# Altium PCB GameBoard_V1I1_Phase1.PcbDoc (part 15 of 18) (continued)
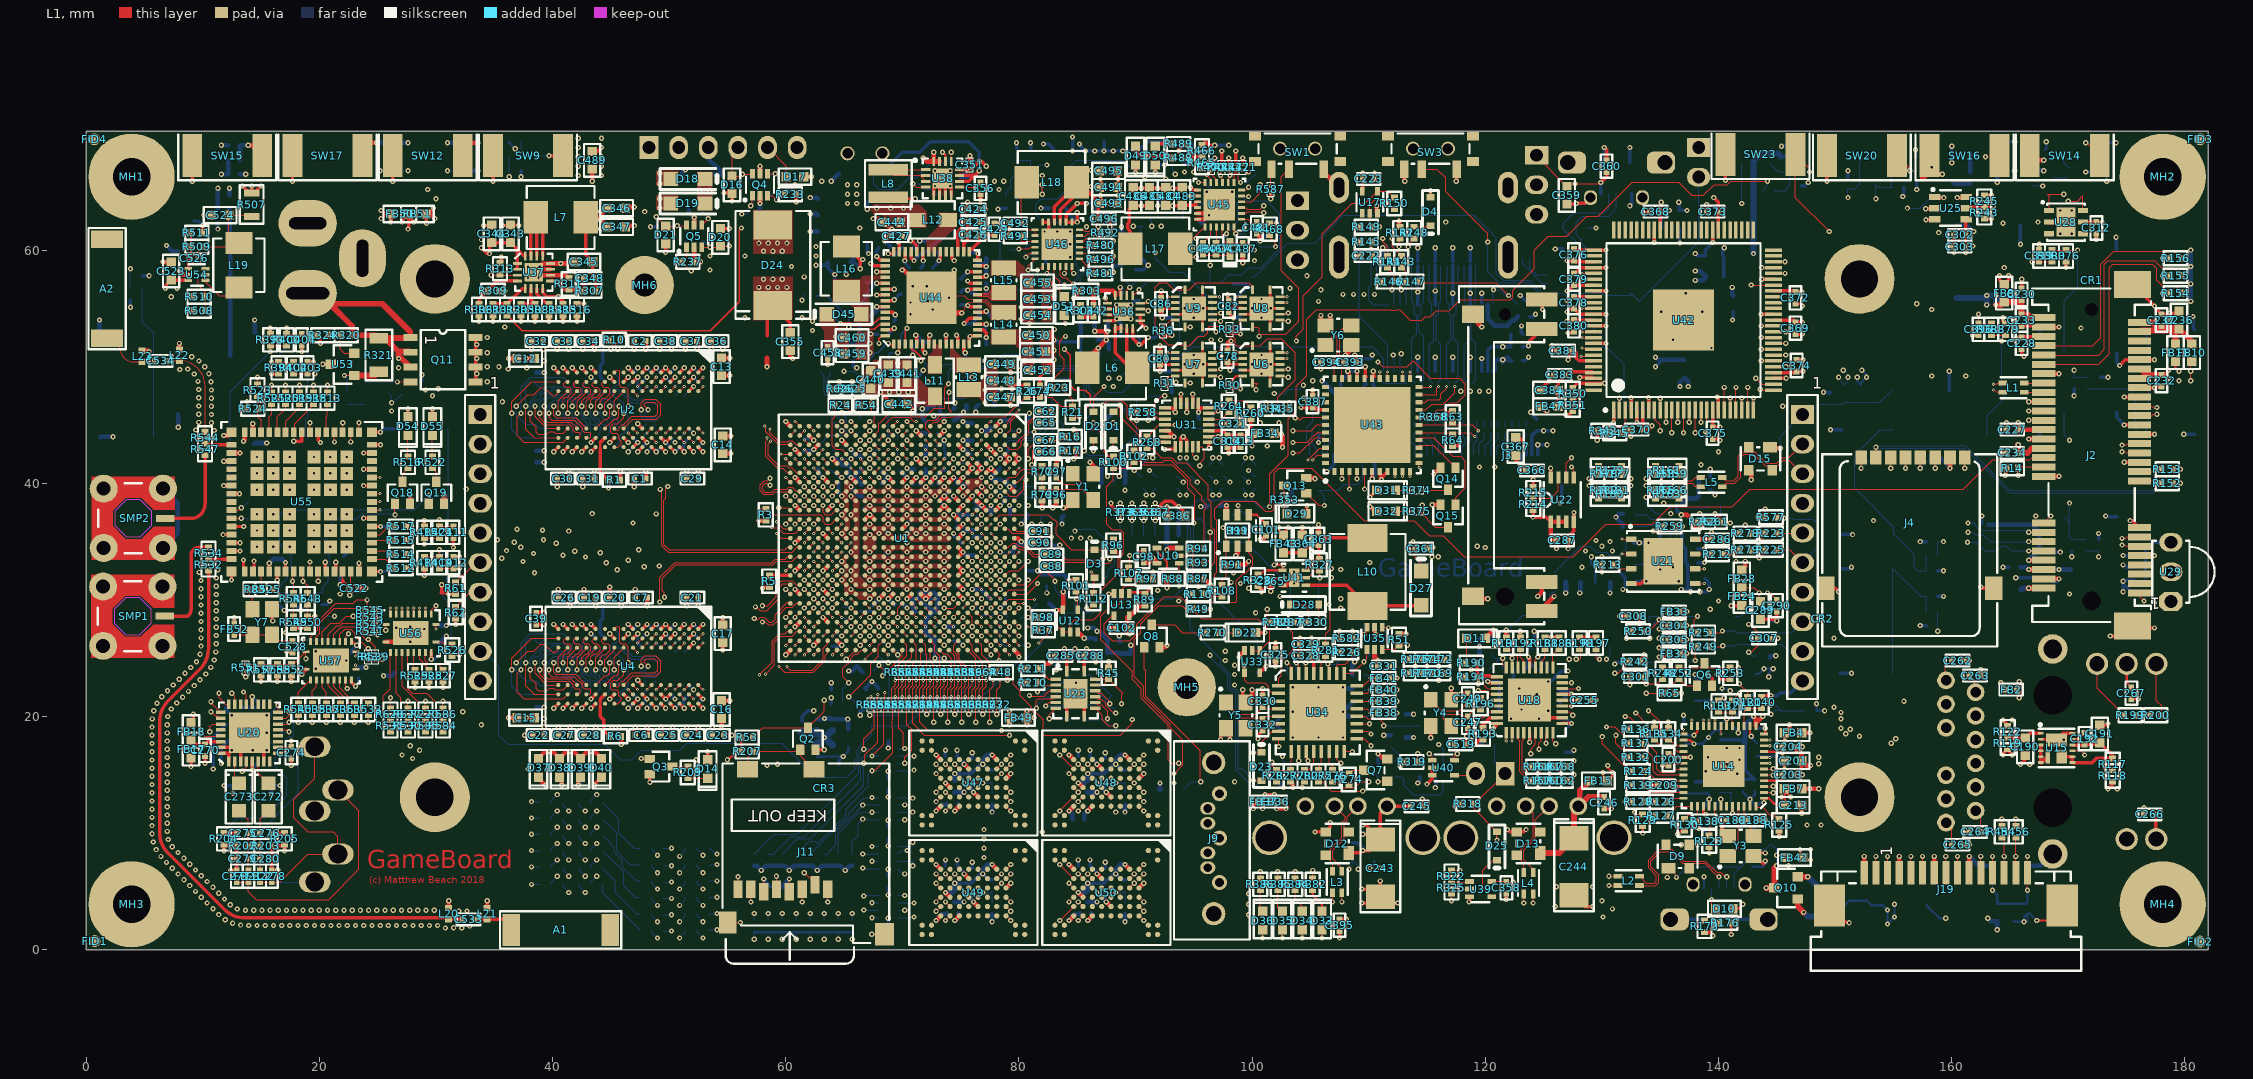
[diagram p0: L1 view]
## Nets (pads, with @x,y where several pads share a name; then routed paths per layer and width w, separated by ;. In a path a pad name is that pad's centre, name@x,y a point inside that pad or via, vN(x,y) a via of type N, cw(c..) or ccw(c..) an arc to the next point about the centre after c; other vN are vias at no path point) (continued)
  L12 w0.1: v1(87.3,48.3) 87.3,48.1 87.6,47.8 88.9,47.8 92.1,51 93.9,51 TP39.1@96.6,53.7 96.6,55.6 94.1,58.1 92.9,58.1 91.7,59.3 v1(91.7,59.8) ; D44.2@141.981,67.4 141.981,66.019 R433.1@142,66 v1(142,64)
QB0: R331.1 U42.10 | length 29.6
  L1 w0.093: v2(135.5,45.225) U42.10@135.5,46.275
  L10 w0.093: 132.6,44.5 133,44.1 135.4,44.1 135.5,44.2 v2(135.5,45.225)
  L10 w0.1: v5(113.9,44.068) 113.9,43.4 116.3,41 118.817,41 119.017,40.8 122.026,40.8 122.226,41 123.4,41 123.611,40.789 123.776,40.789 123.987,41 125,41 125.2,40.8 125.63,40.8 126,41.17 126,41.896 128.604,44.5 132.6,44.5
  L11 w0.1: v5(113.9,44.068) v6(113.9,45.3)
  L12 w0.093: R331.1@113.9,44.865 v6(113.9,45.3)
QB1: R332.1 U42.11 | length 31.7
  L1 w0.093: v2(136,44.325) U42.11@136,46.275
  L10 w0.1: v5(113.3,44.068) 113.3,42.085 114.96,40.425 115.755,40.425 116.005,40.675 118.859,40.675 118.934,40.6 122.109,40.6 122.184,40.675 123.442,40.675 123.528,40.589 123.859,40.589 123.945,40.675 124.255,40.675 124.43,40.5 125.7,40.5 126.483,41.283 126.483,42.096 127.287,42.9 134.8,42.9 136.1,44.2 v2@135.9,44.4
  L11 w0.1: v5(113.3,44.068) v6(113.3,45.3)
  L12 w0.093: R332.1@113.3,44.865 v6(113.3,45.3)
QB2: R333.1 U42.12 | length 32.7
  L1 w0.093: v2(136.5,45.225) U42.12@136.5,46.275
  L10 w0.1: v5(112.7,44.068) 112.7,42.3 115.075,39.925 125.106,39.925 125.249,40.068 125.551,40.068 126.683,41.2 126.683,42.013 127.287,42.617 128.1,42.617 128.183,42.7 134.883,42.7 135.383,43.2 135.7,43.2 136.4,43.9 v2@136.4,45.3
  L11 w0.1: v5(112.7,44.068) v6(112.7,45.3)
  L12 w0.093: R333.1@112.7,44.865 v6(112.7,45.3)
QB3: R334.1 U42.13 | length 33.9
  L1 w0.093: v2(137,44.325) U42.13@137,46.275
  L10 w0.1: v5(112.1,44.068) 112.1,42.4 114.9,39.6 123.294,39.6 123.362,39.668 125.132,39.668 125.332,39.868 125.634,39.868 126.9,41.134 126.9,41.6 127.125,41.825 127.591,41.825 128.266,42.5 134.966,42.5 135.466,43 136.1,43 136.9,43.8 v2@136.9,44.4
  L11 w0.1: v5(112.1,44.068) v6(112.1,45.3)
  L12 w0.093: R334.1@112.1,44.865 v6(112.1,45.3)
QB4: R335.1 U42.14 | length 34.9
  L1 w0.093: v2(137.5,45.225) U42.14@137.5,46.275
  L10 w0.1: v5(111.5,44.068) 111.5,42.483 114.583,39.4 123.377,39.4 123.445,39.468 125.215,39.468 125.415,39.668 125.968,39.668 127.325,41.025 127.555,41.025 127.775,41.245 127.775,41.306 128.769,42.3 135.049,42.3 135.549,42.8 136.5,42.8 137.4,43.7 v2@137.4,45.3
  L11 w0.1: v5(111.5,44.068) v6(111.5,45.3)
  L12 w0.093: R335.1@111.5,44.865 v6(111.5,45.3)
QB5: R336.1 U42.15 | length 36.4
  L1 w0.093: v2(138,44.325) U42.15@138,46.275
  L10 w0.1: v5(110.9,44.068) 110.9,42.8 114.6,39.1 116.9,39.1 117,39 123.26,39 123.528,39.268 125.297,39.268 125.497,39.468 126.281,39.468 127.975,41.162 127.975,41.224 128.851,42.1 135.131,42.1 135.631,42.6 137.3,42.6 137.9,43.2 v2@137.9,44.4
  L11 w0.1: v5(110.9,44.068) v6(110.9,45.3)
  L12 w0.093: R336.1@110.9,44.865 v6(110.9,45.3)
QB6: R337.1 U42.16 | length 37.7
  L1 w0.093: v2(138.5,45.225) U42.16@138.5,46.275
  L10 w0.1: v5(110.3,44.068) 110.3,43.1 114.675,38.725 115.688,38.725 115.813,38.6 123.142,38.6 123.61,39.068 125.38,39.068 125.58,39.268 126.364,39.268 128.175,41.079 128.175,41.141 128.934,41.9 135.214,41.9 135.714,42.4 137.6,42.4 138.4,43.2 v2@138.4,45.3
  L11 w0.1: v5(110.3,44.068) v6(110.3,45.3)
  L12 w0.093: R337.1@110.3,44.865 v6(110.3,45.3)
QB7: R338.1 U42.17 | length 39.4
  L1 w0.093: v2@139,44.325 U42.17@139,46.275
  L10 w0.1: v5(109.7,44.068) 109.7,42.8 113.975,38.525 115.605,38.525 115.93,38.2 123.578,38.2 124.246,38.868 125.463,38.868 125.663,39.068 126.447,39.068 128.375,40.996 128.375,41.058 129.017,41.7 135.297,41.7 135.797,42.2 138.1,42.2 138.9,43 v2(138.9,44.4)
  L11 w0.1: v5(109.7,44.068) v6(109.7,45.3)
  L12 w0.093: R338.1@109.7,44.865 v6(109.7,45.3)
QDE: R361.1 U42.46 | length 49.2
  L1 w0.1: U42.46@144.725,58 v1(145.7,58)
  L10 w0.1: v5(107.6,44.735) 107.885,45.02 108.351,45.02 108.751,45.42 116.167,45.42 116.362,45.225 119.591,45.225 119.866,45.5 120.432,45.5 120.485,45.553 120.535,45.553 122.367,47.384 122.367,51.267 122.925,51.825 122.925,52.121 123.379,52.575 123.675,52.575 126.1,55 126.1,55.4 126.8,56.1 129,56.1 129.2,55.9 139.317,55.9 141.517,58.1 142.2,58.1 142.5,58.4 143.07,58.4 143.545,58.875 144.425,58.875 145.3,58 v1(145.7,58)
  L11 w0.1: v6(107.3,45.035) v5(107.6,44.735)
  L12 w0.093: R361.1@107.3,44.6 v6(107.3,45.035)
QE0: R339.1 U42.20 | length 29.1
  L1 w0.093: U42.20@140.5,46.275 v2(140.5,48.225)
  L10 w0.1: v5(118.7,44.068) 118.7,44 119.1,43.6 122.987,43.6 123.262,43.875 123.289,43.875 123.382,43.783 123.618,43.783 124.225,44.389 124.225,44.821 124.679,45.275 125.575,45.275 126.125,45.825 126.125,46.221 126.579,46.675 126.975,46.675 129.9,49.6 139.1,49.6 v2@140.4,48.3
  L11 w0.1: v5(118.7,44.068) v6(118.7,45.3)
  L12 w0.093: R339.1@118.7,44.865 v6(118.7,45.3)
QE1: R340.1 U42.21 | length 30.3
  L1 w0.093: U42.21@141,46.275 v2(141,47.325)
  L10 w0.1: v5(118.1,44.068) 118.867,43.3 122.97,43.3 123.345,42.925 123.655,42.925 123.875,43.145 123.875,43.757 124.425,44.307 124.425,44.738 124.762,45.075 125.658,45.075 126.325,45.742 126.325,46.138 126.662,46.475 127.058,46.475 129.883,49.3 138.7,49.3 140.6,47.4 v2@140.9,47.4
  L11 w0.1: v5(118.1,44.068) v6(118.1,45.3)
  L12 w0.093: R340.1@118.1,44.865 v6(118.1,45.3)
QE2: R341.1 U42.22 | length 35.2
  L1 w0.093: U42.22@141.5,46.275 v2(141.5,48.225)
  L10 w0.1: v5(117.5,44.068) 117.258,43.825 117.258,43.131 117.664,42.725 123.738,42.725 124.075,43.062 124.075,43.405 124.345,43.675 124.375,43.675 124.625,43.925 124.625,44.655 124.845,44.875 125.741,44.875 126.525,45.659 126.525,46.055 126.745,46.275 127.141,46.275 129.866,49 138.683,49 139.3,48.383 139.3,47.5 139.525,47.275 139.525,47.245 139.97,46.8 141.1,46.8 141.4,47.1 v2@141.4,48.3
  L11 w0.1: v5(117.5,44.068) v6(117.5,45.3)
  L12 w0.093: R341.1@117.5,44.865 v6(117.5,45.3)
QE3: R343.1 U42.23 | length 33.4
  L1 w0.093: U42.23@142,46.275 v2(142,47.325)
  L10 w0.1: v5(116.9,44.068) 116.9,43.144 117.519,42.525 123.925,42.525 124.325,42.925 125.025,42.925 125.085,42.985 125.145,42.925 125.455,42.925 125.675,43.145 125.675,43.455 125.615,43.515 126.015,43.515 130.7,48.2 135.6,48.2 136.2,47.6 138.8,47.6 140.1,46.3 141.7,46.3 141.9,46.5 v2@141.9,47.4
  L11 w0.1: v5(116.9,44.068) v6(116.9,45.3)
  L12 w0.093: R343.1@116.9,44.865 v6(116.9,45.3)
QE4: R344.1 U42.24 | length 36.2
  L1 w0.093: U42.24@142.5,46.275 v2(142.5,48.225)
  L10 w0.1: v5(116.3,44.068) 116.3,43.117 117.092,42.325 124.425,42.325 124.825,42.725 125.538,42.725 125.875,43.062 125.875,43.092 130.683,47.9 135.617,47.9 136.117,47.4 138.2,47.4 139.5,46.1 142.2,46.1 142.4,46.3 v2@142.4,48.3
  L11 w0.1: v5(116.3,44.068) v6(116.3,45.3)
  L12 w0.093: R344.1@116.3,44.865 v6(116.3,45.3)
QE5: R346.1 U42.25 | length 35
  L1 w0.093: U42.25@143,46.275 v2(143,47.325)
  L10 w0.1: v5(115.7,44.068) 115.7,43.1 116.675,42.125 124.825,42.125 125.225,42.525 125.621,42.525 126.075,42.979 126.075,43.009 129.966,46.9 138.234,46.9 139.234,45.9 142.5,45.9 142.9,46.3 v2@142.9,47.4
  L11 w0.1: v5(115.7,44.068) v6(115.7,45.3)
  L12 w0.093: R346.1@115.7,44.865 v6(115.7,45.3)
QE6: R347.1 U42.26 | length 37.2
  L1 w0.093: v2(143.575,48.075) 143.65,48 U42.26@144.725,48
  L10 w0.1: v5(115.1,44.068) 115.1,43.2 116.4,41.9 125.1,41.9 125.525,42.325 125.704,42.325 126.275,42.896 126.275,42.926 129.849,46.5 138.351,46.5 139.351,45.5 142.8,45.5 143.575,46.275 v2(143.575,48.075)
  L11 w0.1: v5(115.1,44.068) v6(115.1,45.3)
  L12 w0.093: R347.1@115.1,44.865 v6(115.1,45.3)
QE7: R349.1 U42.27 | length 41.1
  L1 w0.093: v2(143.2,49) 143.7,48.5 U42.27@144.725,48.5
  L10 w0.1: v5(114.5,44.068) 114.5,43.4 116.5,41.4 118.7,41.4 119.1,41 121.943,41 122.172,41.229 122.841,41.229 122.845,41.225 125.025,41.225 130,46.2 138.369,46.2 139.269,45.3 143.2,45.3 144.2,46.3 144.2,48.4 143.6,49 v2(143.2,49)
  L11 w0.1: v5(114.5,44.068) v6(114.5,45.3)
  L12 w0.093: R349.1@114.5,44.865 v6(114.5,45.3)
QHSYNC: R363.1 U42.48 | length 49.2
  L1 w0.1: U42.48@144.725,59 v1(145.7,59)
  L10 w0.1: v5(108.8,44.735) 108.8,44.903 108.917,45.02 109.6,45.02 109.6,45 109.775,44.825 119.611,44.825 119.684,44.753 120.031,45.1 120.598,45.1 120.651,45.153 120.701,45.153 122.767,47.219 122.767,51.101 123.325,51.659 123.325,51.955 123.545,52.175 123.841,52.175 125.941,54.275 127.475,54.275 128.2,55 128.866,55 129.366,55.5 140.6,55.5 142.5,57.4 142.93,57.4 143.305,57.025 145.725,57.025 146.1,57.4 146.1,58.6 v1(145.7,59)
  L11 w0.1: v6(108.5,45.035) v5(108.8,44.735)
  L12 w0.093: R363.1@108.5,44.6 v6(108.5,45.035)
QODCK: R362.1 U42.44 | length 43.4
  L1 w0.1: v1(142.8,57) U42.44@144.725,57
  L10 w0.1: v5(109.4,44.735) 109.735,44.4 116.147,44.4 116.3,44.553 119.767,44.553 120.114,44.9 120.681,44.9 120.733,44.953 120.784,44.953 122.967,47.136 122.967,49.867 123.526,50.426 123.543,50.426 123.545,50.425 123.855,50.425 124.075,50.645 124.075,50.955 124.074,50.957 124.27,51.153 124.27,51.183 126.342,53.255 126.642,53.255 126.862,53.475 127.175,53.475 127.9,54.2 128.349,54.2 129.349,55.2 141,55.2 v1(142.8,57)
  L11 w0.1: v6@109.1,45 v6(109.1,45.035) v5(109.4,44.735)
  L12 w0.093: R362.1@109.1,44.6 v6(109.1,45.035)
QR0: R352.1 U42.30 | length 28
  L1 w0.093: U42.30@144.725,50 v2(145.775,50)
  L10 w0.1: v5(123.5,44.068) 123.5,44.702 124.123,45.325 124.221,45.325 124.675,45.779 124.675,46.09 124.707,46.122 124.707,46.137 125.145,46.575 125.145,46.65 127.945,49.45 128.118,49.45 128.478,49.809 145.409,49.809 v2@145.675,50.075
  L11 w0.1: v5(123.5,44.068) v6(123.5,45.3)
  L12 w0.093: R352.1@123.5,44.865 v6(123.5,45.3)
QR1: R354.1 U42.31 | length 28.2
  L1 w0.093: v2(143.675,50.5) U42.31@144.725,50.5
  L10 w0.1: v5(122.9,44.068) 122.9,44.385 124.04,45.525 124.138,45.525 124.475,45.862 124.475,46.172 124.507,46.204 124.507,46.22 124.945,46.658 124.945,46.733 127.862,49.65 128.035,49.65 130.01,51.625 130.505,51.625 130.98,52.1 135.487,52.1 135.987,51.6 136.766,51.6 137.266,52.1 142.05,52.1 v2@143.575,50.575
  L11 w0.1: v5(122.9,44.068) v6(122.9,45.3)
  L12 w0.093: R354.1@122.9,44.865 v6(122.9,45.3)
QR2: R355.1 U42.32 | length 30.9
  L1 w0.093: U42.32@144.725,51 v2(145.775,51)
  L10 w0.1: v5(122.3,44.068) 123.957,45.725 124.055,45.725 124.275,45.945 124.275,46.271 124.745,46.741 124.745,46.816 127.779,49.85 127.953,49.85 129.975,51.872 129.975,52.155 130.195,52.375 130.505,52.375 130.58,52.3 135.57,52.3 136.07,51.8 136.683,51.8 137.183,52.3 142.133,52.3 143.358,51.075 v2@145.675,51.075
  L11 w0.1: v5(122.3,44.068) v6(122.3,45.3)
  L12 w0.093: R355.1@122.3,44.865 v6(122.3,45.3)
QR3: R356.1 U42.33 | length 29.1
  L1 w0.093: v2(143.675,51.5) U42.33@144.725,51.5
  L10 w0.1: v5(121.7,44.068) 121.7,44.454 124.421,47.175 124.821,47.175 127.696,50.05 127.87,50.05 129.775,51.955 129.775,52.238 130.112,52.575 130.588,52.575 130.663,52.5 135.77,52.5 135.945,52.675 136.255,52.675 136.43,52.5 ; 136.475,52.455 136.43,52.5 ; v2@143.575,51.575 143.15,52 142.716,52 142.216,52.5 136.43,52.5
  L11 w0.1: v5(121.7,44.068) v6(121.7,45.3)
  L12 w0.093: R356.1@121.7,44.865 v6(121.7,45.3)
QR4: R357.1 U42.34 | length 32.3
  L1 w0.093: U42.34@144.725,52 v2(145.775,52)
  L10 w0.1: v5(121.1,44.068) 121.297,44.264 121.297,44.334 123.767,46.804 123.767,46.901 125.291,48.425 125.655,48.425 125.875,48.645 125.875,48.955 125.848,48.982 126.455,49.59 126.455,50.359 126.675,50.579 126.675,50.875 128.575,52.775 130.671,52.775 130.746,52.7 135.57,52.7 135.745,52.875 136.338,52.875 136.513,52.7 142.299,52.7 142.799,52.2 143.233,52.2 143.358,52.075 v2@145.675,52.075
  L11 w0.1: v5(121.1,44.068) v6(121.1,45.3)
  L12 w0.093: R357.1@121.1,44.865 v6(121.1,45.3)
QR5: R358.1 U42.35 | length 31.1
  L1 w0.093: v2(143.675,52.5) U42.35@144.725,52.5
  L10 w0.1: v5(120.5,44.068) 120.5,44.286 120.514,44.3 120.929,44.3 120.982,44.353 121.032,44.353 123.567,46.887 123.567,47.353 123.583,47.369 123.952,47.369 125.176,48.593 125.125,48.645 125.125,48.955 125.345,49.175 125.655,49.175 125.707,49.124 126.255,49.672 126.255,50.442 126.475,50.662 126.475,50.958 128.492,52.975 130.754,52.975 130.829,52.9 135.429,52.9 135.604,53.075 136.421,53.075 136.596,52.9 142.381,52.9 142.706,52.575 v2@143.575,52.575
  L11 w0.1: v5(120.5,44.068) v6(120.5,45.3)
  L12 w0.093: R358.1@120.5,44.865 v6(120.5,45.3)
QR6: R359.1 U42.36 | length 34.5
  L1 w0.093: U42.36@144.725,53 v2(145.775,53)
  L10 w0.1: v5(119.9,44.068) 119.999,44.068 120.431,44.5 120.847,44.5 120.899,44.553 120.95,44.553 123.367,46.97 123.367,47.436 123.5,47.569 123.869,47.569 124.925,48.625 124.925,49.038 125.262,49.375 125.675,49.375 126.055,49.755 126.055,50.525 126.275,50.745 126.275,51.175 128.275,53.175 129.495,53.175 130.195,53.875 130.505,53.875 130.725,53.655 130.725,53.287 130.912,53.1 135.346,53.1 135.521,53.275 136.504,53.275 136.679,53.1 145.65,53.1 v2@145.675,53.075
  L11 w0.1: v5(119.9,44.068) v6(119.9,45.3)
  L12 w0.093: R359.1@119.9,44.865 v6(119.9,45.3)
QR7: R360.1 U42.37 | length 33.1
  L1 w0.093: v2(143.675,53.5) U42.37@144.725,53.5
  L10 w0.1: v5(119.3,44.068) 119.497,44.068 119.782,44.353 120.001,44.353 120.348,44.7 120.764,44.7 120.816,44.753 120.867,44.753 123.167,47.053 123.167,47.519 123.3,47.652 123.3,49.9 123.625,50.225 123.938,50.225 124.47,50.757 124.47,51.1 126.425,53.055 126.725,53.055 126.945,53.275 127.541,53.275 128.266,54 130.037,54 130.112,54.075 131.325,54.075 131.825,53.575 v2@143.575,53.575
  L11 w0.1: v5(119.3,44.068) v6(119.3,45.3)
  L12 w0.093: R360.1@119.3,44.865 v6(119.3,45.3)
QVSYNC: R364.1 U42.47 | length 45.7
  L1 w0.1: v1(143.7,58.5) U42.47@144.725,58.5
  L10 w0.1: v5(108.2,44.735) 108.349,44.735 108.834,45.22 116.084,45.22 116.279,45.025 119.674,45.025 119.949,45.3 120.515,45.3 120.568,45.353 120.618,45.353 122.567,47.301 122.567,51.184 123.125,51.742 123.125,52.038 123.462,52.375 123.758,52.375 126.583,55.2 128.783,55.2 129.283,55.7 139.4,55.7 141.6,57.9 143.1,57.9 v1(143.7,58.5)
  L11 w0.1: v6(107.9,45.035) v5(108.2,44.735)
  L12 w0.093: R364.1@107.9,44.6 v6(107.9,45.035)
REGN1: C487.1 D47.2 R477.2 R478.2 R494.2 U45.22 | length 39.8
  L1 w0.1: U45.22@97.45,62 97.425,61.975 97.425,60.975 97.75,60.65 D47.2@98.1,60.65 99.15,60.65 C487.1@99.2,60.6 99.6,60.6 v1(100.2,60)
  L3 w0.1: v1@83.8,57 v1(83.9,57) 83.375,57.525 83.375,58.075 83.7,58.4 86.569,58.4 87.294,59.125 88.625,59.125 88.875,59.375 92.575,59.375 93.025,59.825 100.025,59.825 v1(100.2,60)
  L12 w0.1: R478.2@81,65.6 R477.2@79.8,65.6 79.8,62.9 79.075,62.175 79.045,62.175 78.4,61.53 78.4,57.9 79.665,56.635 82.4,56.635 82.41,56.625 83.525,56.625 v1(83.9,57) 83.375,57.525 R494.2@83.275,57.525
REGN2: C497.1 D53.2 U46.22 | length 3.9
  L1 w0.1: v1(80,60.1) 80.85,60.1 81,60.25 U46.22@81.4,60.25
  L12 w0.1: D53.2@79.2,60.05 79.95,60.05 v1(80,60.1) 80.5,60.1 C497.1@81.3,60.9
RGMII_INT: R38.2 R130.1 TP10.1 U1.W22 U14.38 | length 112.1
  L1 w0.093: U1.W22@65.2,28.1 v2(65.6,28.5)
  L1 w0.1: v1(136.5,10.7) 136.6,10.7 R130.1@137.1,11.2 137.5,11.6 138,11.6 138.2,11.8 U14.38@138.2,12.3
  L3 w0.093: v2(65.6,28.5) 65.6,28.702 66.004,29.105 66.004,29.13 66.017,29.143 66.017,29.36 66.203,29.547 66.203,31.7 66.828,32.325 66.828,32.654 67.103,32.928 67.354,32.928 67.728,33.303 67.728,33.554 69.446,35.271 70.497,35.271 70.8,35.575 70.8,36 70.975,36 71.046,36.072 71.246,36.072 71.6,36.425 71.6,37.425 71.846,37.672 72.372,37.672 73.2,38.5 73.8,38.5 73.972,38.672 73.972,38.997 74.303,39.329 75.46,39.329 76.203,40.072 77.072,40.072 77.172,40.171 77.172,40.772 77.3,40.9 78.722,40.9 80.522,39.1 84.222,39.1 85.926,37.396 86.796,37.396 87.189,37.003 87.688,37.003 88.888,35.803 94.123,35.803 94.598,35.329 95.298,35.329 95.498,35.128 95.781,35.128 95.981,35.328 96.063,35.328 96.163,35.228 97.337,35.228 97.78,35.672 98.954,35.672 99.022,35.604 102.996,35.604 103.496,35.104 111.993,35.104 112.79,35.9 116.1,35.9 118.072,33.928 121.928,33.928 122.1,34.1 125.875,34.1 125.946,34.028 127.851,34.028 128.028,34.206 128.028,34.437 128.363,34.772 128.837,34.772 129.008,34.6 v1(130,34.6)
  L10 w0.1: v1(130,34.6) 130.5,34.1 130.5,32.1 130.7,31.9 130.7,31.047 130.772,30.975 130.855,30.975 131.075,30.755 131.075,30.672 131.647,30.1 135.034,30.1 135.9,29.234 135.9,19.83 136.075,19.655 136.075,19.345 135.9,19.17 135.9,15.6 136.2,15.3 136.2,14.883 137.441,13.641 136.6,12.8 136.6,10.8 v1(136.5,10.7)
  L12 w0.093: R38.2@64.8,28.4 65.5,28.4 v2(65.6,28.5)
  L12 w0.1: TP10.1@135.7,11.1 136.1,10.7 v1(136.5,10.7) v1@136.6,10.7
RGMII_INT_R: R38.1 U1.V21 | length 1.4
  L1 w0.093: v2(65.6,29.3) U1.V21@66,28.9
  L12 w0.1: R38.1@64.8,29.4 65.5,29.4 v2(65.6,29.3)
RGMII_MDC: R126.1 R128.1 U1.V20 | length 107.7
  L1 w0.093: v3(65.6,30.1) U1.V20@66,29.7
  L1 w0.1: v1(133.6,13.4) R128.1@133.6,12.7 R126.1@134.6,12.7
  L3 w0.1: v4(65.9,29.8) 65.9,30 66.007,30.107 66.007,33.707 67.1,34.8 68.43,34.8 70.025,36.395 70.025,36.655 70.27,36.9 70.6,36.9 71.3,37.6 71.3,39 71.575,39.275 71.925,39.275 71.95,39.3 73.465,39.3 73.49,39.325 73.755,39.325 73.975,39.545 73.975,39.575 74.3,39.9 74.8,39.9 75.025,40.125 75.355,40.125 75.461,40.23 76,40.23 76.645,40.875 76.905,40.875 77.175,41.145 77.175,41.175 77.2,41.2 77.2,41.43 77.47,41.7 78.1,41.7 78.3,41.5 78.7,41.5 79.1,41.1 79.1,40.8 80.5,39.4 84.2,39.4 86.007,37.593 86.877,37.593 87.27,37.2 87.77,37.2 88.97,36 94.204,36 94.679,35.525 95.379,35.525 95.479,35.425 95.8,35.425 95.9,35.525 96.145,35.525 96.245,35.425 97.255,35.425 97.698,35.868 99.035,35.868 99.103,35.8 103.078,35.8 103.578,35.3 111.912,35.3 113.012,36.4 116.4,36.4 118.675,34.125 121.325,34.125 121.975,34.775 127.255,34.775 127.33,34.7 128.014,34.7 128.282,34.968 128.451,34.968 128.583,35.1 v1(129.5,35.1)
  L10 w0.1: v1@129.5,35.2 v1(129.5,35.1) 129.5,30.7 130.3,29.9 134.375,29.9 135.7,28.575 135.7,20.03 135.325,19.655 135.325,19.345 135.7,18.97 135.7,18.2 133.6,16.1 v1(133.6,13.4)
  L2 w0.1: v3(65.6,30.1) v4(65.9,29.8)
RGMII_MDIO: R127.1 R129.1 U1.V23 | length 105.8
  L1 w0.093: v3(65.6,26.9) U1.V23@66,27.3
  L1 w0.1: v1(132.8,11.8) 133,11.6 R129.1@133.5,11.6 134.5,11.6 R127.1@134.6,11.5
  L3 w0.1: v4(65.9,27.2) 65.975,27.275 65.975,28.062 66.175,28.262 66.175,28.266 66.5,28.591 66.5,29.066 66.825,29.391 66.825,31.125 67.025,31.325 67.355,31.325 67.575,31.545 67.575,31.88 68.57,32.875 69.175,32.875 70.085,33.785 70.185,33.785 70.245,33.725 70.825,33.725 71.2,34.1 71.47,34.1 73.47,36.1 74.2,36.1 74.6,36.5 75.098,36.998 75.098,37.285 75.305,37.492 75.688,37.492 76.096,37.9 76.403,37.9 76.603,37.7 76.93,37.7 77.2,37.97 77.2,38.23 77.47,38.5 81.183,38.5 81.383,38.3 84.462,38.3 85.762,37 86.631,37 87.024,36.607 87.524,36.607 88.731,35.4 93.717,35.4 94.492,34.625 96.105,34.625 96.222,34.742 96.222,34.832 97.501,34.832 97.601,34.932 98.355,34.932 98.562,34.725 99.038,34.725 99.245,34.932 100.155,34.932 100.462,34.625 100.938,34.625 101.245,34.932 103.107,34.932 103.332,34.707 112.158,34.707 112.851,35.4 115.1,35.4 116.3,34.2 116.8,33.7 117.3,33.7 117.9,33.1 123.3,33.1 123.5,33.3 127.9,33.3 128.2,33.6 128.5,33.6 128.6,33.7 v1(128.6,34.2)
  L10 w0.1: v1(128.6,34.2) 128.6,33.2 129,32.8 129,31.9 129.3,31.6 129.3,30.617 130.217,29.7 131.2,29.7 131.5,29.4 134.592,29.4 135.5,28.492 135.5,20.113 135.125,19.738 135.125,19.525 132.916,17.316 132.916,11.916 v1(132.8,11.8)
  L2 w0.1: v3(65.6,26.9) v4(65.9,27.2)
RGMII_R_MDC: R126.2 U14.36 | length 1.5
  L1 w0.1: R126.2@135.6,12.7 135.89,12.99 U14.36@137.01,12.99
RGMII_R_MDIO: R127.2 U14.37 | length 2.4
  L1 w0.1: R127.2@135.6,11.5 136.4,12.3 U14.37@137.7,12.3
RGMII_R_RXCLK: R124.2 R139.2 U14.35 | length 4.6
  L1 w0.1: R139.2@133.6,14.1 R124.2@133.6,15.2 ; R139.2@133.7,13.9 134.11,13.49 U14.35@137.01,13.49
RGMII_R_TXCLK: R37.1 U1.D21 | length 6.9
  L1 w0.1: U1.D21@77.2,28.9 v3(77.6,28.5) ; v3(80.7,27.7) 81.3,27.7 R37.1@81.6,27.4
  L3 w0.1: v4(77.3,28.2) 77.375,28.275 77.375,28.069 77.519,27.925 78.638,27.925 78.788,28.075 80.155,28.075 80.63,27.6 80.913,27.6 80.915,27.598 80.915,27.458 80.938,27.458 80.94,27.46 v4(81,27.4)
  L2 w0.1: v4(77.3,28.2) v3(77.6,28.5) ; v3(80.7,27.7) v4(81,27.4)
RGMII_RSTn: D3.2 R112.1 R131.1 U14.42 | length 88.3
  L1 w0.1: v3(86.2,32.4) 86.694,31.906 86.775,31.906 86.4,31.531 R112.1@86.4,30.6 ; U14.42@140.2,12.3 v1(140.2,12.9)
  L3 w0.1: v4(86.2,32.9) 100.834,32.9 101.509,32.225 102.258,32.225 102.558,31.925 103.312,31.925 103.362,31.975 103.838,31.975 103.913,31.9 103.988,31.975 104.508,31.975 104.758,31.725 105.445,31.725 105.645,31.525 107.917,31.525 108.792,32.4 121.766,32.4 122.166,32.8 v1(128.3,32.8)
  L10 w0.1: v1(128.3,32.8) 128.7,32.4 128.7,29 130.1,27.6 132.1,27.6 133,26.7 133,24.421 134.375,23.046 134.375,19.975 132.716,18.316 132.716,16.716 131.725,15.725 131.725,13.982 131.3,13.557 131.3,12.6 133.4,10.5 135,10.5 137.6,7.9 139.43,7.9 139.675,8.145 139.675,8.555 139.2,9.03 139.2,11 140.2,12 v1(140.2,12.9)
  L2 w0.1: v3(86.2,32.4) v4(86.2,32.9)
  L12 w0.1: R131.1@139.9,12.3 139.9,12.6 v1(140.2,12.9)
RGMII_RSTn_R: R112.2 U1.U21 | length 36.5
  L1 w0.093: v3(66.4,28.5) U1.U21@66.8,28.9
  L1 w0.1: v1(85.8,29.3) 86.1,29.3 R112.2@86.4,29.6
  L3 w0.1: v4(66.7,28.2) 66.7,28.983 67.6,29.883 67.6,30.5 68,30.9 68,31.6 68.5,32.1 69.4,32.1 70.225,32.925 70.555,32.925 71.305,33.675 72.375,33.675 73.4,34.7 75.13,34.7 75.73,34.1 v2(76.8,34.1)
  L10 w0.1: v2(76.8,34.1) 76.9,34.1 77.225,34.425 77.225,35.125 77.8,35.7 81.57,35.7 81.795,35.925 83.138,35.925 83.338,36.125 84.238,36.125 84.5,36.387 84.8,36.087 v1(84.8,35.9)
  L2 w0.1: v3(66.4,28.5) v4(66.7,28.2)
  L12 w0.1: v1(84.8,35.9) 84.7,35.9 84.525,36.075 86.525,36.075 87.5,35.1 87.5,34.517 88.2,33.817 88.2,33.1 87.6,32.5 87.6,32.1 86.1,30.6 86.1,29.6 v1(85.8,29.3)
RGMII_RXCLK: R124.1 U1.B25 | length 67.7
  L1 w0.093: U1.B25@78.8,25.7 v3(79.2,25.3)
  L1 w0.1: v1(130.025,18.275) 130.025,17.675 132.4,15.3 R124.1@132.6,15.3
  L3 w0.1: v4(78.9,25) 78.9,24.3 79.785,23.415 79.802,23.415 79.862,23.475 80.338,23.475 80.713,23.1 84.287,23.1 84.662,23.475 85.175,23.475 85.8,24.1 90.1,24.1 92.7,26.7 98.072,26.7 99.072,25.7 99.217,25.7 99.875,25.042 99.875,23.563 100.463,22.975 101.138,22.975 101.213,22.9 101.5,22.9 102.475,21.925 105.925,21.925 107.075,23.075 109.895,23.075 110.045,22.925 110.955,22.925 111.775,23.745 111.775,24.061 112.814,25.1 114.249,25.1 114.349,25.2 117.917,25.2 118.417,24.7 119.117,24.7 119.392,24.425 121.475,24.425 122.925,22.975 123.138,22.975 124.025,22.088 124.025,19.845 124.87,19 129.3,19 v1(130.025,18.275)
  L2 w0.1: v4(78.9,25) v3(79.2,25.3)
RGMII_RXD0: R137.1 U1.C24 U14.32 | length 73.9
  L1 w0.093: U1.C24@78,26.5 v3(78.4,26.1)
  L1 w0.1: v1(130.4,19.1) 131.1,19.1 131.9,18.3 132.9,18.3 133.4,17.8 R137.1@133.4,17.7 133.4,17.5 134.4,16.5 134.4,15.3 134.7,15 136.48,15 136.49,14.99 U14.32@137.01,14.99
  L3 w0.1: v4(78.1,25.8) 78.183,25.8 78.698,25.285 79.018,25.285 79.185,25.118 79.185,24.315 79.825,23.675 80.421,23.675 80.796,23.3 84.204,23.3 84.579,23.675 85.045,23.675 85.785,24.415 85.875,24.325 87.855,24.325 88.23,24.7 90.417,24.7 92.617,26.9 98.154,26.9 99.154,25.9 99.3,25.9 100.075,25.125 100.075,23.646 100.546,23.175 101.221,23.175 101.296,23.1 102.37,23.1 103.345,22.125 103.655,22.125 104.23,22.7 105.37,22.7 105.545,22.875 105.675,22.875 106.075,23.275 109.058,23.275 109.458,23.675 110.275,23.675 111.9,25.3 114.166,25.3 114.266,25.4 118,25.4 118.5,24.9 119.2,24.9 119.475,24.625 122.455,24.625 122.598,24.768 124.191,23.175 124.725,23.175 125.025,22.875 125.025,22.845 125.595,22.275 127.555,22.275 128.055,21.775 130.075,21.775 130.1,21.8 130.4,21.5 v1(130.4,19.1)
  L2 w0.1: v4(78.1,25.8) v3(78.4,26.1)
RGMII_RXD1: R136.1 U1.B23 U14.31 | length 71.1
  L1 w0.093: U1.B23@78.8,27.3 v3(79.2,26.9)
  L1 w0.1: v1(132,20) 132.075,19.925 132.375,19.925 R136.1@133.4,18.9 133.9,18.4 133.9,17.7 134.7,16.9 134.7,15.5 135,15.2 136.1,15.2 136.39,15.49 U14.31@137.01,15.49
  L3 w0.1: v4(78.9,26.6) 79.955,25.545 80.259,25.545 80.479,25.325 81.875,25.325 82.225,24.975 82.225,24.945 82.232,24.945 82.362,25.075 83.525,25.075 83.9,24.7 84.383,24.7 85.108,25.425 86.229,25.425 86.279,25.475 87.096,25.475 87.15,25.529 87.296,25.675 88.104,25.675 88.479,25.3 90.117,25.3 92.1,27.283 92.151,27.283 92.369,27.5 98.403,27.5 99.403,26.5 99.566,26.5 100.675,25.391 100.675,25.195 101.045,24.825 101.355,24.825 101.43,24.9 102.17,24.9 102.845,24.225 105,24.225 105.65,24.875 108.445,24.875 108.645,25.075 108.983,25.075 109.183,25.275 109.475,25.275 109.975,25.775 111.13,25.775 111.48,26.125 112.625,26.125 113,26.5 118.47,26.5 119.345,25.625 120.125,25.625 120.3,25.8 124.33,25.8 124.73,25.4 125.4,25.4 126.3,24.5 129.1,24.5 131.875,21.725 131.875,20.725 132,20.6 v1(132,20)
  L2 w0.1: v4(78.9,26.6) v3(79.2,26.9)
RGMII_RXD2: R135.1 U1.B24 U14.28 | length 74.8
  L1 w0.093: U1.B24@78.8,26.5 v3(79.2,26.1)
  L1 w0.1: v1(132.9,20.3) 133.9,19.3 133.9,18.8 134.5,18.2 R135.1@134.5,18 135.1,17.4 136.1,17.4 136.51,16.99 U14.28@137.01,16.99
  L3 w0.1: v4(78.9,25.8) 78.9,25.7 79.3,25.3 79.3,25.286 79.385,25.201 79.385,24.832 79.742,24.475 81.559,24.475 81.647,24.388 81.647,24.123 82.27,23.5 83.8,23.5 84.8,24.5 85.587,24.5 86.112,25.025 86.395,25.025 86.445,25.075 86.755,25.075 86.867,24.963 87.15,24.963 87.462,25.275 87.938,25.275 88.313,24.9 90.334,24.9 92.534,27.1 98.237,27.1 99.237,26.1 99.4,26.1 100.275,25.225 100.275,24.14 101.04,23.375 101.304,23.375 101.379,23.3 105.225,23.3 105.4,23.475 108.105,23.475 108.425,23.795 109.295,23.795 110.425,24.925 110.425,24.955 110.828,25.358 111.675,25.358 111.817,25.5 114.083,25.5 114.283,25.7 115.1,25.7 115.175,25.625 118.4,25.625 118.8,25.225 120.825,25.225 121,25.4 122.43,25.4 122.675,25.155 122.675,24.974 124.274,23.375 125.555,23.375 125.63,23.3 129.517,23.3 130.8,22.017 130.8,18.3 130.825,18.275 130.825,18.245 131.045,18.025 131.355,18.025 131.43,18.1 132.1,18.1 132.9,18.9 v1(132.9,20.3)
  L2 w0.1: v4(78.9,25.8) v3(79.2,26.1)
RGMII_RXD3: R134.1 U1.D23 U14.27 | length 78.3
  L1 w0.093: U1.D23@77.2,27.3 v3(77.6,26.9)
  L1 w0.1: v1(134,20.5) 134.03,20.5 134.95,19.58 134.95,18.45 135.4,18 R134.1@135.7,18 135.9,17.8 136.2,17.8 136.51,17.49 U14.27@137.01,17.49
  L3 w0.1: v4(77.3,26.6) 77.3,26.33 77.225,26.255 77.225,25.945 77.445,25.725 77.755,25.725 77.764,25.733 78,25.497 78,25.03 77.925,24.955 77.925,24.645 78,24.57 78,24.448 77.976,24.424 78.479,24.424 79.703,23.2 79.87,23.2 79.945,23.275 80.255,23.275 80.63,22.9 84.37,22.9 84.745,23.275 85.055,23.275 85.13,23.2 86.3,23.2 87,23.9 90.9,23.9 92.583,25.583 95.983,25.583 96.683,26.283 98.206,26.283 98.989,25.5 99.134,25.5 99.675,24.959 99.675,23.48 100.38,22.775 101.055,22.775 101.275,22.555 101.275,22.425 102.1,21.6 106.125,21.6 106.7,22.175 106.75,22.125 109.245,22.125 109.845,22.725 111.325,22.725 112.025,23.425 112.025,24.028 112.897,24.9 114.331,24.9 114.431,25 117.834,25 118.334,24.5 119.034,24.5 119.309,24.225 120.951,24.225 122.401,22.775 123.055,22.775 123.825,22.005 123.825,19.762 124.887,18.7 128.3,18.7 128.8,18.2 128.8,18.1 129.4,17.5 131,17.5 131.175,17.325 132.325,17.325 133.107,18.107 133.107,19.293 134,20.187 v1(134,20.5)
  L2 w0.1: v4(77.3,26.6) v3(77.6,26.9)